# KiCad board polygonus-Shortage-Version.kicad_pcb (continued)
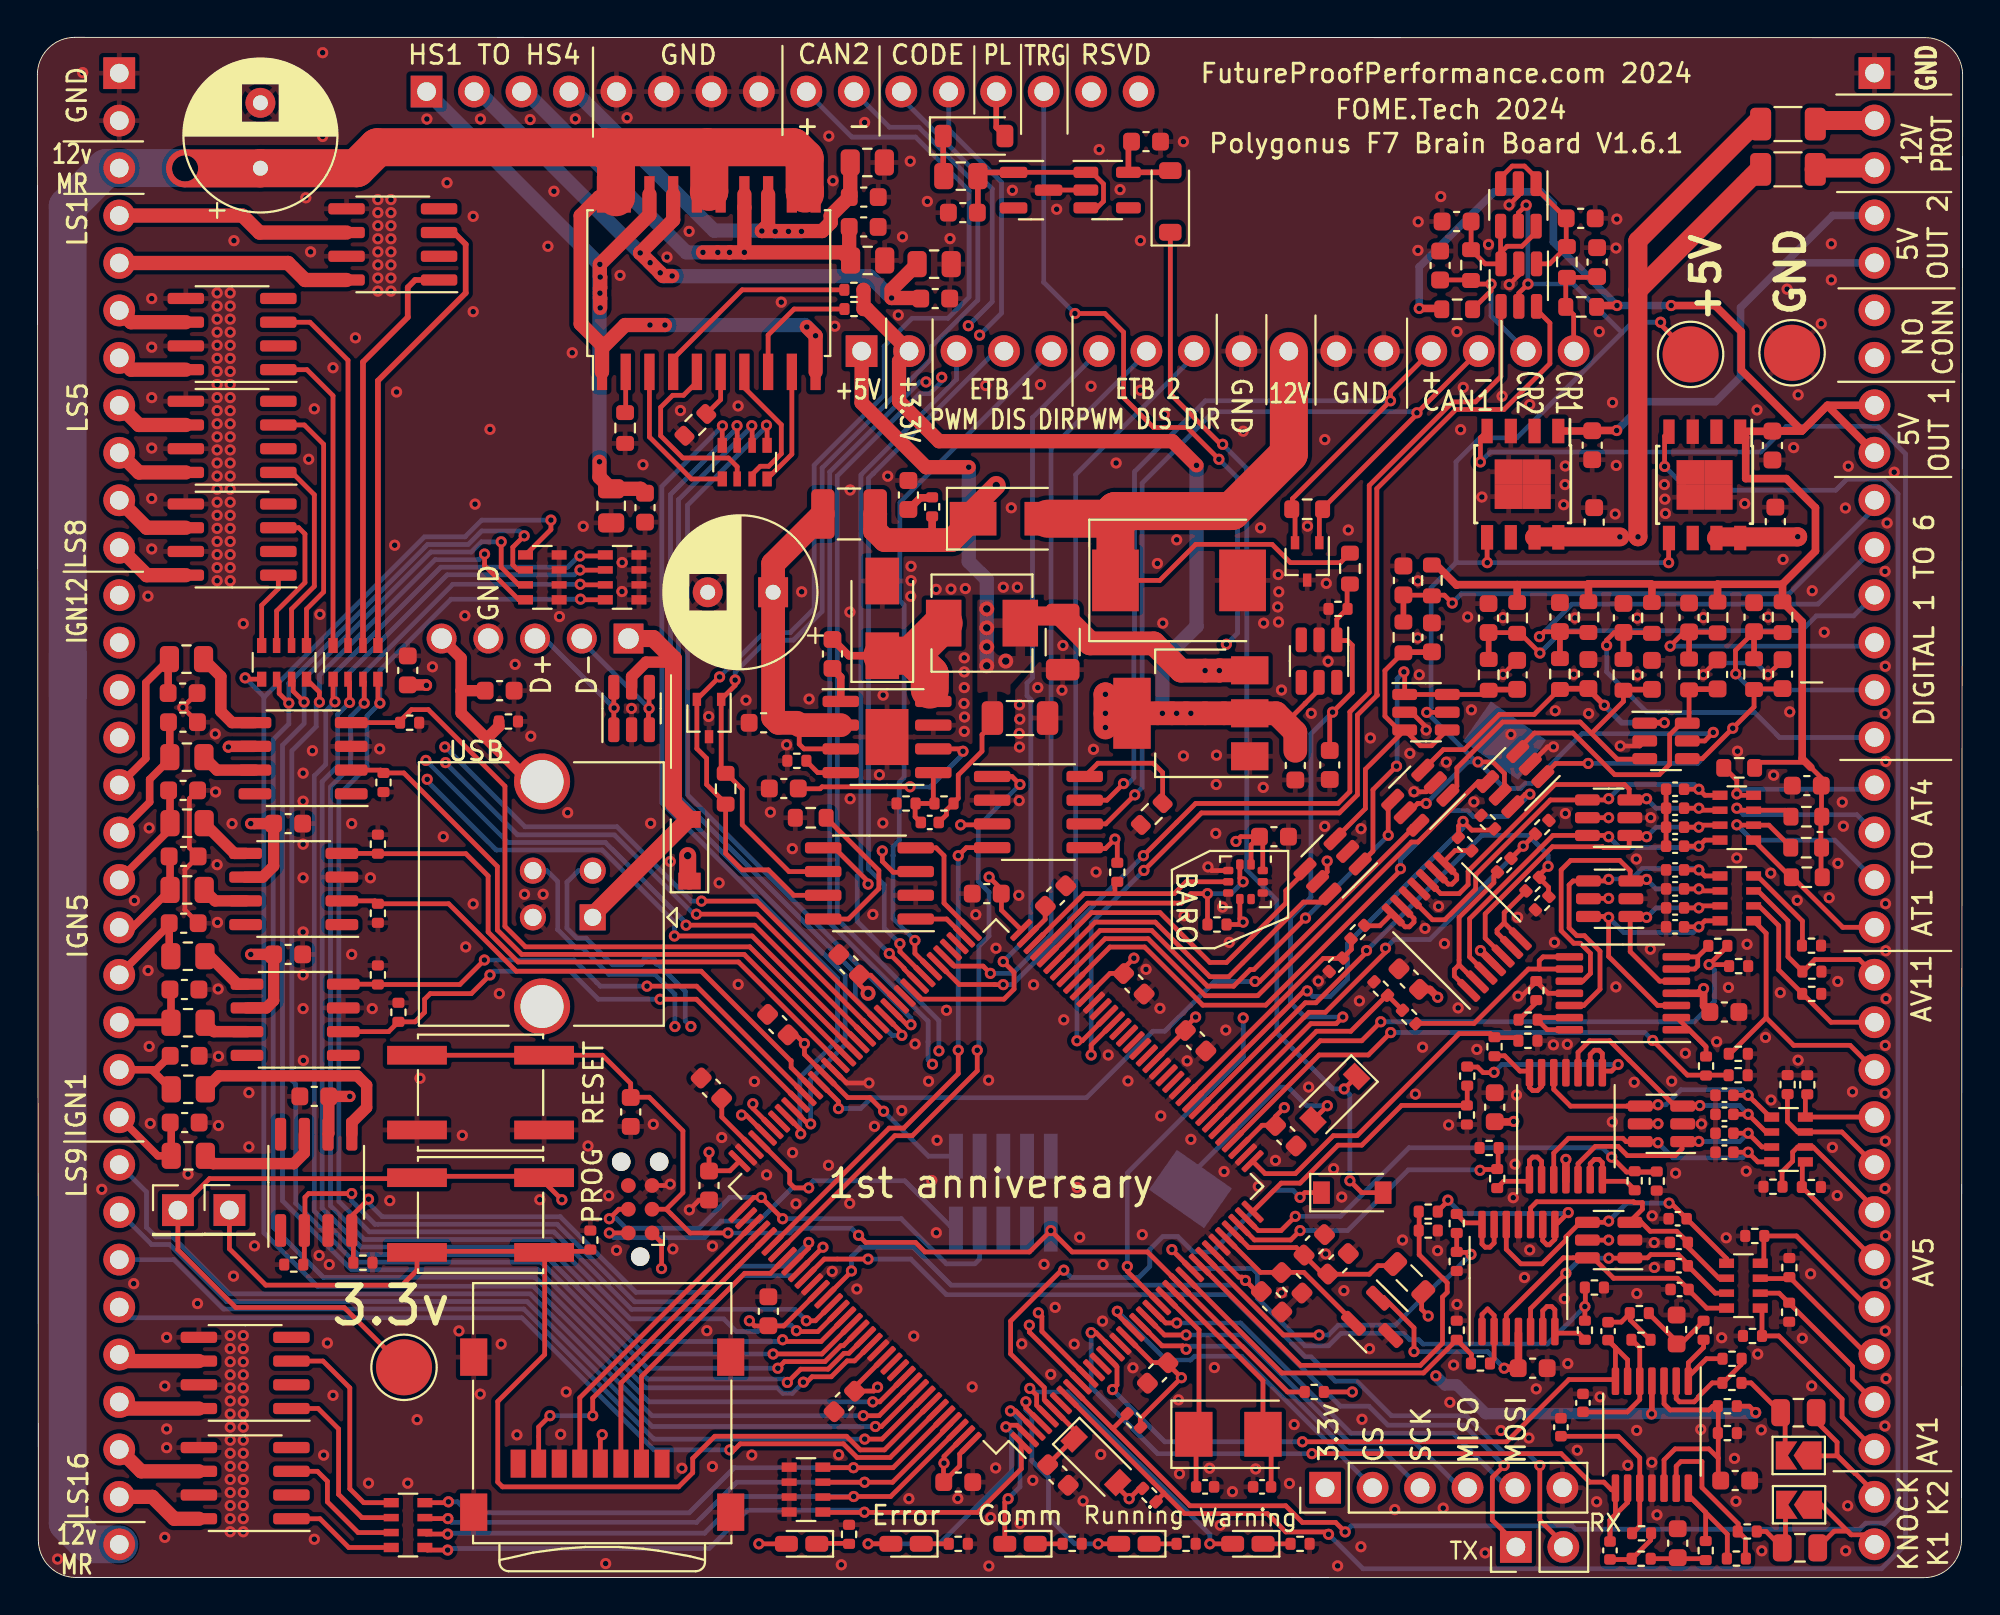
[diagram p0: board, top side]
## Routing (per net, layer and track width the routed paths; a pad name or vN(x,y) marks a point on that pad's centre or on a via; arc(x,y) is an arc through that point) (continued)
Net-(RN10-R2.2): length 7.3
  Top w0.254: RN10.7 17.16,2.41 15.52,4.06 15.52,5.16 14.98,5.69 13.59,5.69
Net-(RN10-R3.2): length 9.8
  Top w0.254: RN10.6 17.36,3.21 16.12,4.46 16.12,7.96 15.02,9.05 13.59,9.05
Net-(RN10-R4.2): length 11.6
  Top w0.254: 13.59,11.59 15.28,11.59 16.72,10.16 16.72,4.76 17.46,4.01 RN10.5
Net-(RN11-R1.2): length 6.3
  Top w0.254: RN11.8 40.37,60.13 U40.9
Net-(RN11-R2.2): length 7.5
  Top w0.254: U40.7 37.83,63.68 39.8,61.7 39.8,60.15 39.13,59.48 38.68,59.48 38.24,59.05 RN11.7
Net-(RN11-R3.2): length 10
  Top w0.254: RN11.6 37.44,59.46 36.98,59.92 34.53,59.92 33.35,61.11 33.35,62.64 33.99,63.28 34.57,63.28 35.29,64 U40.5
Net-(RN11-R4.2): length 8.3
  Top w0.254: RN11.5 34.99,58.8 32.75,61.05 U40.3
Net-(U3-BOOT): length 1.9
  Top w0.406: 42.99,46.9 42.99,48.2 42.54,48.65
Net-(U3-EN): length 19.1
  Top w0.254: 42.99,44.36 41.02,44.36 40.76,44.61 40.76,45.63 40.63,45.75
  Top w1.27: L1.2 39.36,54.26 C6.1 39.36,46.03 39.64,45.75 40.63,45.75 ; 40.76,45.63 42.99,45.63
Net-(U3-FB): length 3.9
  Top w0.254: U3.5 47.94,41.52 48.02,41.43 46.96,41.43 46.96,40.72 47.26,40.42
Net-(U3-RT): length 2.1
  Top w0.254: 41.12,43.72 41.75,43.09 42.99,43.09
Net-(U3-SS): length 11.2
  Top w0.254: 40.89,42.22 41.88,42.22 41.98,42.33 v1(46.69,42.33) ; v1(49.52,44.23) 49.4,44.36 U3.6
  Bottom w0.254: v1(49.52,44.23) 49.52,44.08 47.76,42.31 46.7,42.31 v1(46.69,42.33)
Net-(U4-Rs): length 6.3
  Top w0.254: R7.2 60.21,43.09 59.71,43.59 56.74,43.59 U4.8
Net-(U5-Rs): length 8.6
  Top w0.254: U5.8 43.4,35.25 45.02,36.88 45.02,37.85 R8.2
Net-(U7A--): length 5.7
  Top w0.254: 91.16,11.72 91.16,11.4 90.18,10.42 89.62,10.42 88.87,9.67 88.87,9.62 88.65,9.41 87.85,9.41 87.68,9.58 87.68,10.6
Net-(U7B-+): length 6.7
  Top w0.254: 85.31,12.73 85.73,12.31 U7.5 85.73,9.53 85.07,8.87 82.7,8.87
Net-(U7C-+): length 8.9
  Top w0.254: 81.52,7.57 84.58,7.57 85.73,6.41 85.73,2.76 85.35,2.37
Net-(U7D--): length 8.9
  Top w0.254: 87.68,4.7 87.68,5.96 87.93,6.21 89.06,6.21 89.06,4.82 91,2.88 91,2.47 91.39,2.08 91.39,1.02
Net-(U11-IO1): length 19
  Top w0.254: 77.38,47.26 77.65,47.53 77.39,47.27 U11.6 73.16,47.27 73.16,48.43 v1(73.12,48.48) ; U9.1 71.46,38.88 71.46,42.17 v1(72.72,43.43)
  Top w0.305: 77.65,47.53 79.17,47.53
  Bottom w0.254: v1(73.12,48.48) 72.75,48.11 72.75,43.46 v1(72.72,43.43)
Net-(U11-IO2): length 17.1
  Top w0.254: 73.16,45.37 74,44.52 74.59,44.52 U11.4 ; 73.16,45.37 72.84,45.37 72.1,46.11 72.1,48.55 73.09,49.53 ; 73.16,45.37 71.05,43.26 71.05,41.16 U9.3
  Top w0.305: 73.09,49.53 74.61,49.53
Net-(U12-IO1): length 16.6
  Top w0.254: U10.3 75.22,44.31 76.34,44.31 78.23,46.2 80.09,46.2 81.46,47.57
  Top w0.305: v1(83.84,46.69) 82.99,47.54 82.99,47.57 81.46,47.57 ; U12.1 86.03,45.76 v1(87.05,45.76)
  Bottom w0.305: v1(87.05,45.76) 84.77,45.76 v1(83.84,46.69)
Net-(U12-IO2): length 17.5
  Top w0.254: U10.1 75.95,42.36 75.95,43.34 78.4,45.79 82.55,45.79 84.53,43.81 85.33,43.81 ; 83.15,45.19 84.86,46.89 84.86,47.53
  Top w0.305: 84.86,47.53 86.39,47.53
Net-(U12-IO3): length 18.5
  Top w0.254: v1(82.98,43.58) 81.24,43.58 80.55,42.89 U8.1 ; U12.4 89.08,43.83 v1(90.71,45.46) 91.85,46.6 91.85,47.57 93.37,47.57
  Bottom w0.254: v1(90.71,45.46) 88.83,43.58 82.98,43.58 v1(82.98,43.58)
Net-(U12-IO4): length 15.9
  Top w0.254: 88.37,47.55 88.37,45.83 U12.6 87.96,45.73 87.33,45.11 87.33,43.53 86.78,42.98 84.39,42.98 82.17,45.2 80.1,45.2 79.15,44.25
  Top w0.305: 88.37,47.55 89.9,47.55
Net-(U13-IO1): length 9.1
  Top w0.254: U14.1 80.91,70.31 R38.1 81.8,71.28 C39.1 80.19,74.36 U13.1 80.19,74.93 79.57,75.55 78.91,75.55 78.29,74.93 U13.3
Net-(U13-IO3): length 8.7
  Top w0.254: U14.3 78.29,70.34 U13.4 ; U14.3 78.31,70.93 78.64,71.26 79.43,71.26 80.19,72.01 U13.6 ; U14.3 77.47,70.31 R37.1 76.71,71.08 C38.1
Net-(U15A--): length 8.5
  Top w0.254: 76.07,32.8 75.81,32.54 75.81,32.2 76.65,31.37 ; 76.07,32.8 76.07,35.34 77.93,37.2 77.93,37.58 78.14,37.79 ; 76.07,32.8 76.58,32.29
Net-(U15B--): length 5.4
  Top w0.254: 79.41,34.12 78.48,35.05 ; 78.48,35.05 78.1,34.67 78.1,34.51 78.95,33.66 ; 78.48,35.05 78.48,35.59 79.66,36.77
Net-(U15C--): length 4.5
  Top w0.254: 74.77,37.84 75.49,37.12 75.69,37.12 75.94,37.37 75.94,37.59 75.23,38.29 75.85,38.91 76.73,38.91
Net-(U15D--): length 4.5
  Top w0.254: 70.99,34.89 71.83,34.89 72.48,35.54 73.18,34.83 73.4,34.83 73.65,35.08 73.65,35.28 72.94,36
Net-(U17A--): length 4.6
  Top w0.254: 77.7,11.46 77.94,11.71 77.94,14.03 77.59,14.38 77.29,14.08 77.29,13.08
Net-(U17B--): length 5
  Top w0.254: 80.54,13.08 80.54,14.29 80.77,14.51 81.02,14.51 81.19,14.34 81.19,13.08 82.47,13.08 82.8,12.76
Net-(U17C--): length 11.2
  Top w0.254: 74.9,19.59 75.47,20.16 v1(75.47,20.2) ; v1(81.91,19.54) 81.36,18.98 81.19,18.98 81.19,18.11 80.89,17.81 80.77,17.81 80.54,18.04 80.54,18.98
  Bottom w0.254: v1(81.91,19.54) 81.86,19.49 76.18,19.49 v1(75.47,20.2)
Net-(U17D--): length 4.6
  Top w0.254: 77.94,18.98 77.94,17.91 77.72,17.69 77.46,17.69 77.29,17.86 77.29,18.98 76.4,18.98 75.94,19.44
Net-(U19A--): length 4.9
  Top w0.254: 78.11,20.87 78.45,21.21 79.83,21.21 79.83,22.34 80,22.51 80.26,22.51 80.48,22.29 80.48,21.21
Net-(U19B--): length 4.7
  Top w0.254: 83.08,21.21 83.08,22.16 83.31,22.38 83.56,22.38 83.73,22.21 83.73,21.21 85.01,21.21 85.46,20.76
Net-(U19C--): length 12
  Top w0.254: v1(84.58,27.46) 84.22,27.11 83.73,27.11 83.73,28.05 83.56,28.23 83.31,28.23 83.08,28 83.08,27.11 ; 76.5,27.33 77.06,27.33 77.36,27.03 77.92,27.03 v1(77.94,27.04)
  Bottom w0.254: v1(77.94,27.04) 78.36,27.46 v1(84.58,27.46)
Net-(U19D--): length 4.7
  Top w0.254: 80.48,27.11 80.48,26.29 80.26,26.07 80,26.07 79.83,26.24 79.83,27.11 79.32,27.11 78.5,27.93 77.96,27.93
Net-(U21A--): length 4.6
  Top w0.254: 87.78,29.32 88.37,29.32 89.28,28.41 89.28,27.87 ; 89.25,28.45 87.78,29.91 87.78,29.97
Net-(U21B--): length 3.5
  Top w0.254: 87.78,32.57 88.67,32.57 88.84,32.74 88.84,33.22 ; 88.84,33.22 87.78,33.22 ; 88.84,33.22 89.43,33.81
Net-(U21C--): length 11.4
  Top w0.254: 80.36,32.57 81.88,32.57 ; 80.36,32.57 79.78,32.57 76.87,29.66 73.74,29.66 ; 80.36,32.57 80.36,33.02 80.56,33.22 81.88,33.22
Net-(U21D--): length 3.5
  Top w0.254: 81.88,29.97 80.36,29.97 80.25,29.86 80.78,29.32 81.88,29.32
Net-(U23-OUT): length 8.7
  Top w0.254: 70.37,13.66 70.37,13.73 67.76,16.34 65.44,16.34 U26.32
Net-(U26-PH0): length 11
  Top w0.254: U26.23 62.15,13.26 62.15,7.95 Y1.1 61.99,7.55 61.99,4.86
Net-(U26-PH1): length 12.7
  Top w0.254: 66.01,4.86 66.01,7.24 Y1.2 65.57,10.55 U26.24
Net-(U26-VCAP_1): length 2
  Top w0.254: 53.92,35.92 53.92,35.23 U26.71
Net-(U26-VCAP_2): length 3.3
  Top w0.254: 36.62,25.64 36.62,24.65 U26.106
Net-(U40-GND1/2): length 2.2
  Top w0.254: R101.1 31.48,62.39 U40.2
Net-(U40-GND3/4): length 2.6
  Top w0.254: R102.1 36.56,63.05 U40.6
Net-(U40-ST1/2): length 11.4
  Top w0.254: R99.1 37.71,68.92 34.02,65.23 U40.4
Net-(U40-ST3/4): length 6.6
  Top w0.254: U40.8 39.1,66.5 40.49,67.9 R100.1
Net-(U42-OUT_A): length 6.7
  Top w0.61: U42.7 14.28,22.72 13.72,22.16 9.41,22.16 R108.2
Net-(U42-OUT_B): length 12.1
  Top w0.61: U42.5 16.82,24.36 17.62,25.16 17.62,26.36 17.12,26.86 9.71,26.86 R109.2
Net-(U43-OUT_A): length 2.4
  Top w0.61: U43.7 9.45,29.22 R110.2
Net-(U43-OUT_B): length 2.9
  Top w0.61: R111.2 9.22,33.26 10.71,31.76 U43.5
Net-(U44-OUT_A): length 2.5
  Top w0.61: R112.2 9.51,36.22 U44.7
Net-(U44-OUT_B): length 2.9
  Top w0.61: R113.2 10.54,38.76 U44.5
Net-(U45-OUT_A): length 3
  Top w0.61: R114.2 9.6,43.22 U45.7
Net-(U45-OUT_B): length 5.3
  Top w0.61: U45.5 10.41,45.76 9.82,46.36 9.82,48.23 R115.2

## Copper pours and planes (outline as drawn; the poured copper is in the pictures)
+3V3 on In2.Cu: 27.29,-0.06 75.29,-0.06 75.29,16.94 64.76,37.88 62.22,47.28 54.86,48.04 54.86,37.62 27.29,37.62
+5V on Top: 53.59,49.44 52.06,47.78 52.06,44.74 50.29,44.74 50.29,52.36 53.59,52.36
+5V on In2.Cu: 0.03,82.44 0.03,-0.06 26.29,-0.06 26.48,38.13 54.1,38.13 54.1,48.8 62.99,47.78 65.78,37.88 76.45,16.54 76.29,-0.06 102.96,-0.06 102.96,82.44
GND on Top: 102.87,-0.06 0.07,-0.06 -0.02,82.41 102.87,82.44 ; 1 cut-out
GND on Bottom: 102.96,-0.06 0.1,-0.06 0.1,82.44 102.96,82.44
GND on In1.Cu: 0.03,82.44 0.03,-0.06 102.96,-0.06 102.96,82.44

## Text on the board
B.Silkscreen: USB B | +
F.Silkscreen: 12v / MR | +5V | PL | ETB 1 / PWM DIS DIR | TRG | ETB 2 / PWM DIS DIR | 12V | IGN12 | 12V / PROT | +3.3V | GND | CR1 / CR2 | Running | Warning | TX | RX | USB | HS1 TO HS4 | +  - | CAN2 | Error | CODE | Comm | RSVD | Polygonus F7 Brain Board V1.6.1 | FOME.Tech 2024 | FutureProofPerformance.com 2024 | CAN1 | LS8 | IGN1 | LS9 | LS1 | LS5 | IGN5 | LS16 | D+ | D- | PROG | RESET | 3.3v | CS | SCK | MISO | MOSI | AV11 | AT1 TO AT4 | 5V / OUT 2 | KNOCK / K1 K2 | AV5 | 5V / OUT 1 | DIGITAL 1 TO 6 | AV1 | NO / CONN | BARO | 1st anniversary
